# Allegro board 20250806_UNOQ.brd (continued)
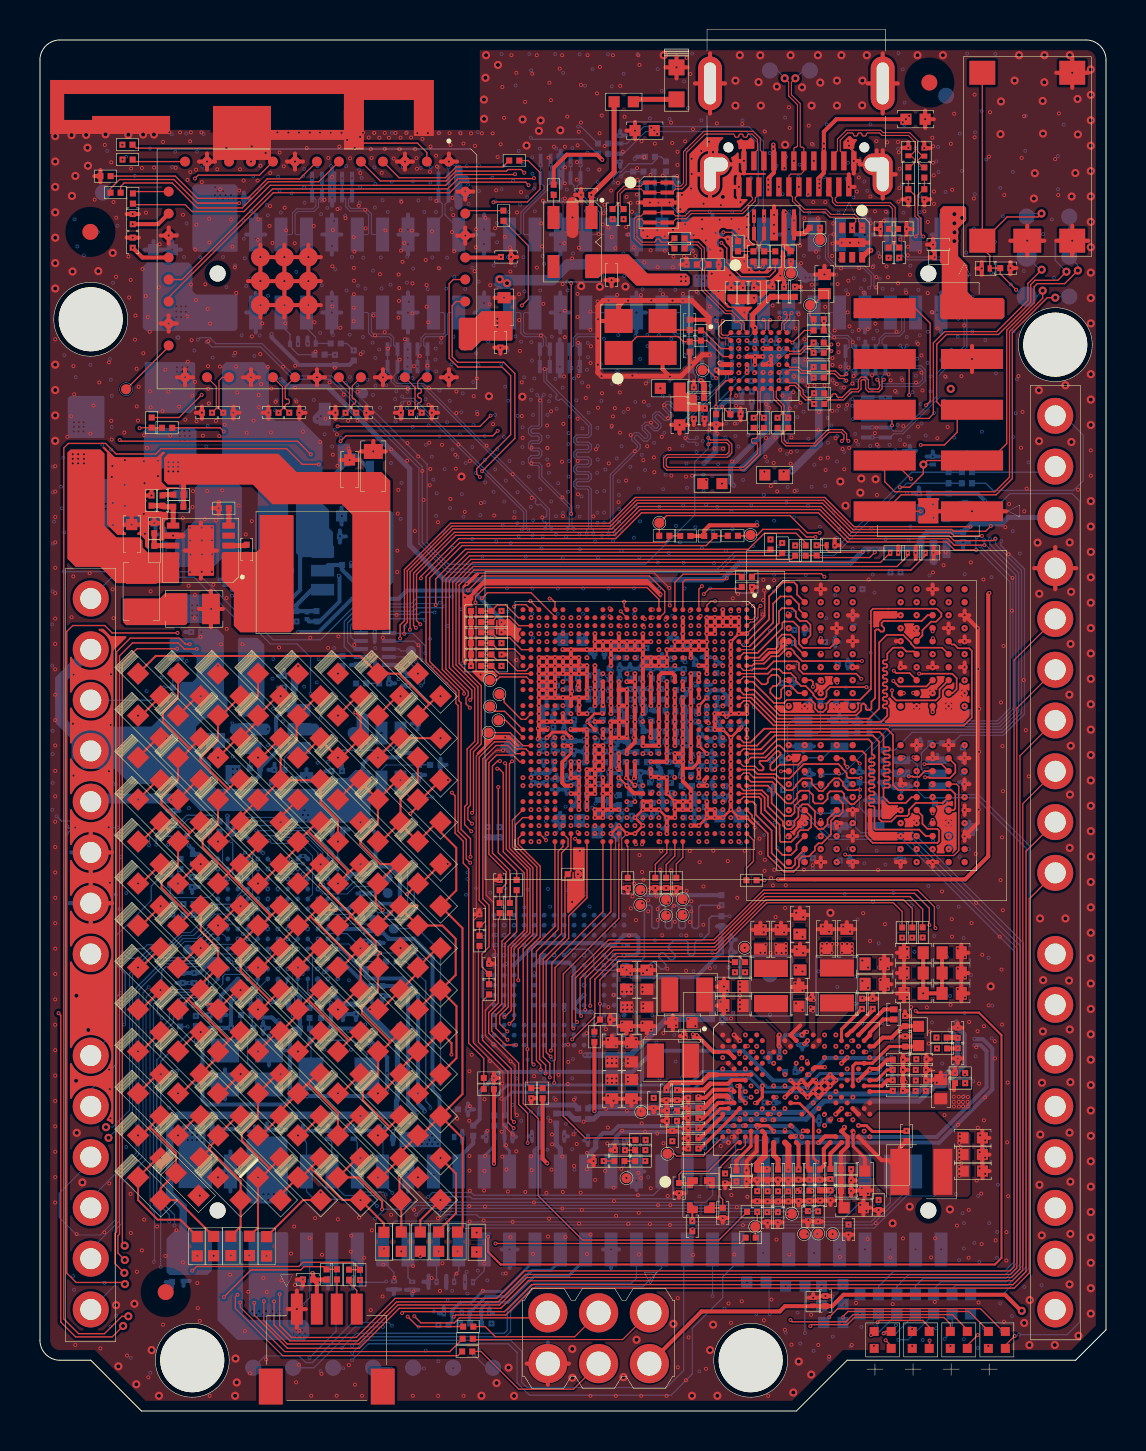
[diagram p0: board, top side]
## Placement (name value [footprint] x y rotation side) (continued)
NOREF#1063  -  []  20.97 4.79 90 top
NOREF#1064  -  []  14.14 52.54 90 top
NOREF#1065  -  []  44.36 62.79 90 top
NOREF#1066  -  []  22.36 5.02 90 top
NOREF#1067  -  []  21.67 37.57 0 top
NOREF#1068  -  []  10.74 19.77 90 top
NOREF#1069  -  []  7.13 24.67 90 top
NOREF#1070  -  []  19.05 49.79 0 top
NOREF#1071  -  []  43.21 14.06 0 top
NOREF#1072  -  []  41.05 40.81 90 top
NOREF#1073  -  []  34.18 20.39 90 top
NOREF#1074  -  []  43.57 4.06 0 top
NOREF#1075  -  []  31.34 33.85 0 top
NOREF#1076  -  []  29.85 17.44 0 top
NOREF#1077  -  []  44.13 62.93 0 top
NOREF#1078  -  []  5.44 49.74 0 top
NOREF#1079  -  []  29.28 35.21 90 top
NOREF#1080  -  []  38.81 53.23 0 top
NOREF#1081  -  []  15.22 42.62 0 top
NOREF#1082  -  []  21.83 13.72 90 top
NOREF#1083  -  []  26.11 13.85 0 top
NOREF#1084  -  []  24.69 13.55 90 top
NOREF#1085  -  []  34.45 18.81 0 top
NOREF#1086  -  []  37.72 57.46 90 top
NOREF#1087  -  []  25.14 34.03 90 top
NOREF#1088  -  []  33.91 34.78 90 top
NOREF#1089  -  []  32.63 37.41 90 top
NOREF#1090  -  []  34.82 43.48 90 top
NOREF#1091  -  []  30.56 15.71 0 top
NOREF#1092  -  []  46.92 4.06 90 top
NOREF#1093  -  []  38.22 21.23 90 top
NOREF#1094  -  []  16.74 21.31 0 top
NOREF#1095  -  []  24.85 58.48 90 top
NOREF#1096  -  []  33.56 57.65 0 top
NOREF#1097  -  []  31.39 43.48 90 top
NOREF#1098  -  []  27.03 60.98 90 top
NOREF#1099  -  []  20.34 4.01 90 top
NOREF#1100  -  []  40.75 41.41 0 top
NOREF#1101  -  []  9.11 18.79 0 top
NOREF#1102  -  []  43.44 18.19 0 top
NOREF#1103  -  []  29.89 13.35 0 top
NOREF#1104  -  []  28.96 65.99 0 top
NOREF#1105  -  []  44.1 62.25 0 top
NOREF#1106  -  []  28.45 56.52 90 top
NOREF#1107  -  []  47.53 4.91 0 top
NOREF#1108  -  []  37.29 42.87 90 top
NOREF#1109  -  []  25.14 33.68 0 top
NOREF#1110  -  []  17.05 23.97 90 top
NOREF#1111  -  []  20.22 6.3 90 top
NOREF#1112  -  []  22.22 13.88 0 top
NOREF#1113  -  []  31.73 30.25 0 top
NOREF#1114  -  []  15.95 25.93 90 top
NOREF#1115  -  []  40.31 8.78 90 top
NOREF#1116  -  []  19.05 34.95 0 top
NOREF#1117  -  []  46.23 46.71 0 top
NOREF#1118  -  []  43.68 47.52 90 top
NOREF#1119  -  []  38.72 27.21 90 top
NOREF#1120  -  []  27.81 33.68 0 top
NOREF#1121  -  []  32.07 35.37 90 top
NOREF#1122  -  []  37.3 11.53 90 top
NOREF#1123  -  []  7.29 21.37 90 top
NOREF#1124  -  []  18.26 6.19 0 top
NOREF#1125  -  []  13.69 39.45 0 top
NOREF#1126  -  []  38.71 43.35 0 top
NOREF#1127  -  []  33.42 30.25 0 top
NOREF#1128  -  []  12.77 36.04 0 top
NOREF#1129  -  []  44.22 15.71 90 top
NOREF#1130  -  []  11.2 14.13 90 top
NOREF#1131  -  []  42.84 58.24 0 top
NOREF#1132  -  []  34.78 58.56 0 top
NOREF#1133  -  []  21.16 6.33 0 top
NOREF#1134  -  []  23.52 13.83 0 top
NOREF#1135  -  []  27.86 29.22 0 top
NOREF#1136  -  []  27.3 13.41 0 top
NOREF#1137  -  []  15.3 20.4 0 top
NOREF#1138  -  []  36.78 12.13 0 top
NOREF#1139  -  []  33.53 66.41 0 top
NOREF#1140  -  []  18.5 6.07 90 top
NOREF#1141  -  []  38.27 24.83 90 top
NOREF#1142  -  []  28.87 63.91 0 top
NOREF#1143  -  []  26.96 34.96 0 top
NOREF#1144  -  []  33.16 33.28 90 top
NOREF#1145  -  []  41.81 20.67 90 top
NOREF#1146  -  []  35.52 41.43 90 top
NOREF#1147  -  []  42.17 59.02 0 top
NOREF#1148  -  []  13.09 30.7 90 top
NOREF#1149  -  []  13.46 53.21 90 top
NOREF#1150  -  []  7.77 26.16 90 top
NOREF#1151  -  []  11.83 32.37 0 top
NOREF#1152  -  []  7.32 20.61 0 top
NOREF#1153  -  []  21 13.82 90 top
NOREF#1154  -  []  29.93 36.59 0 top
NOREF#1155  -  []  8.05 13.38 0 top
NOREF#1156  -  []  18.58 36.85 0 top
NOREF#1157  -  []  33.06 32.42 0 top
NOREF#1158  -  []  38.81 52.52 0 top
NOREF#1159  -  []  16.05 38.12 90 top
NOREF#1160  -  []  24.72 75.11 90 top
NOREF#1161  -  []  13.36 16.12 0 top
NOREF#1162  -  []  22.89 53.75 0 top
NOREF#1163  -  []  47.5 66.64 0 top
NOREF#1164  -  []  19.05 34.35 90 top
NOREF#1165  -  []  44.55 47.86 0 top
NOREF#1166  -  []  39.85 30.68 0 top
NOREF#1167  -  []  35.1 34.51 90 top
NOREF#1168  -  []  2.54 5.08 90 top
NOREF#1169  -  []  14.9 47.39 90 top
NOREF#1170  -  []  15.86 7.11 0 top
NOREF#1171  -  []  43.21 21.14 90 top
NOREF#1172  -  []  25.74 33.68 90 top
NOREF#1173  -  []  32.66 31.42 90 top
NOREF#1174  -  []  14.3 6.31 0 top
NOREF#1175  -  []  30.49 7.45 0 top
NOREF#1176  -  []  25 16.2 0 top
NOREF#1177  -  []  44.57 3.06 90 top
NOREF#1178  -  []  25.91 36.67 0 top
NOREF#1179  -  []  26.88 15.29 0 top
NOREF#1180  -  []  13.03 14.13 0 top
NOREF#1181  -  []  28.46 30.71 90 top
NOREF#1182  -  []  29.05 36.24 90 top
NOREF#1183  -  []  15.55 6.31 0 top
NOREF#1184  -  []  25.31 35.59 90 top
NOREF#1185  -  []  12.05 59.96 0 top
NOREF#1186  -  []  11.96 5.57 0 top
NOREF#1187  -  [unnamed#3]  6.29 5.95 0 top
NOREF#1188  -  []  7.87 21.37 90 top
NOREF#1189  -  []  38.88 11.09 0 top
NOREF#1190  -  []  43.6 60.56 90 top
NOREF#1191  -  []  46.86 27.03 90 top
NOREF#1192  -  []  32.63 36.81 0 top
NOREF#1193  -  []  42.05 33.1 0 top
NOREF#1194  -  []  36.64 58.05 0 top
NOREF#1195  -  []  27.3 13.7 0 top
NOREF#1196  -  []  22.31 16.4 0 top
NOREF#1197  -  []  30.81 30.47 0 top
NOREF#1198  -  []  28.03 63.7 0 top
NOREF#1199  -  []  35.4 11.33 90 top
NOREF#1200  -  []  38.8 51.88 0 top
NOREF#1201  -  []  29.04 33.47 90 top
NOREF#1202  -  []  37.71 39.22 0 top
NOREF#1203  -  []  31.71 34.63 0 top
NOREF#1204  -  []  39.95 3.93 90 top
NOREF#1205  -  []  37.38 20.26 0 top
NOREF#1206  -  []  31.34 33.34 0 top
NOREF#1207  -  []  29.83 61.45 90 top
NOREF#1208  -  []  26.88 14.76 0 top
NOREF#1209  -  []  25.17 14.33 90 top
NOREF#1210  -  []  15.32 7.12 0 top
NOREF#1211  -  []  33.81 30.88 90 top
NOREF#1212  -  []  17.55 5.97 90 top
NOREF#1213  -  []  2.54 17.78 90 top
NOREF#1214  -  []  29.19 63.29 90 top
NOREF#1215  -  []  43.77 16.91 0 top
NOREF#1216  -  []  39.11 51.39 90 top
NOREF#1217  -  []  43.21 13.46 90 top
NOREF#1218  -  []  35.43 21.9 90 top
NOREF#1219  -  []  14 19.28 0 top
NOREF#1220  -  []  42.63 16.39 0 top
NOREF#1221  -  []  39.97 27.68 0 top
NOREF#1222  -  []  33.69 36.87 0 top
NOREF#1223  -  []  29.14 38.23 90 top
NOREF#1224  -  []  20.1 4.73 90 top
NOREF#1225  -  []  33.1 49.59 90 top
NOREF#1226  -  []  15.54 14.13 0 top
NOREF#1227  -  []  9.3 31.04 90 top
NOREF#1228  -  []  32.66 54.03 0 top
NOREF#1229  -  []  37.84 16.12 0 top
NOREF#1230  -  []  41.71 4.01 0 top
NOREF#1231  -  []  43.49 42.74 90 top
NOREF#1232  -  []  33.4 36.5 90 top
NOREF#1233  -  []  14.64 32.39 90 top
NOREF#1234  -  []  14.37 46.28 90 top
NOREF#1235  -  []  11.85 13.52 0 top
NOREF#1236  -  []  25.25 59.23 90 top
NOREF#1237  -  []  33.98 49.31 90 top
NOREF#1238  -  []  41.81 20.07 0 top
NOREF#1239  -  []  1.61 44.98 90 top
NOREF#1240  -  []  6.98 24 90 top
NOREF#1241  -  []  21.67 39.76 0 top
NOREF#1242  -  []  23.58 62.85 0 top
NOREF#1243  -  []  21.55 3.31 90 top
NOREF#1244  -  []  37.81 11.06 0 top
NOREF#1245  -  []  26.78 34.44 0 top
NOREF#1246  -  []  30.29 30.35 0 top
NOREF#1247  -  []  32.67 35.37 0 top
NOREF#1248  -  []  48.38 3.06 90 top
NOREF#1249  -  []  7.05 6.87 0 top
NOREF#1250  -  []  22.58 14.83 0 top
NOREF#1251  -  []  15.57 14.13 0 top
NOREF#1252  -  []  4.79 57.84 90 top
NOREF#1253  -  []  36.39 58.05 90 top
NOREF#1254  -  []  16.26 22.23 0 top
NOREF#1255  -  []  6.68 24.6 0 top
NOREF#1256  -  []  17.73 22.18 90 top
NOREF#1257  -  []  22.69 39.25 0 top
NOREF#1258  -  []  15.74 47.59 90 top
NOREF#1259  -  []  46.53 46.11 90 top
NOREF#1260  -  []  29.77 40.28 0 top
NOREF#1261  -  []  30.26 61.59 0 top
NOREF#1262  -  []  30.12 19.23 90 top
NOREF#1263  -  []  8.9 21.61 90 top
NOREF#1264  -  []  26.82 30.67 90 top
NOREF#1265  -  []  32.36 52.94 90 top
NOREF#1266  -  []  18.54 31.89 90 top
NOREF#1267  -  []  28.45 36.78 0 top
NOREF#1268  -  []  46.12 21.66 90 top
NOREF#1269  -  []  26.53 36.19 0 top
NOREF#1270  -  []  12.13 31.77 90 top
NOREF#1271  -  []  43.4 48.14 0 top
NOREF#1272  -  []  30.51 35.97 90 top
NOREF#1273  -  []  50.8 22.86 90 top
NOREF#1274  -  []  38.84 50.67 0 top
NOREF#1275  -  []  44.2 43.09 0 top
NOREF#1276  -  []  31.7 57.7 90 top
NOREF#1277  -  []  3.13 62.07 0 top
NOREF#1278  -  []  28.5 60.17 0 top
NOREF#1279  -  []  14.3 6.6 0 top
NOREF#1280  -  []  13.36 16.12 0 top
NOREF#1281  -  []  40.62 24.12 90 top
NOREF#1282  -  []  38.56 5.28 90 top
NOREF#1283  -  []  32.66 54.63 90 top
NOREF#1284  -  []  25.98 14.33 90 top
NOREF#1285  -  []  12.85 5.1 0 top
NOREF#1286  -  []  33.64 43.47 90 top
NOREF#1287  -  []  9.72 49.79 90 top
NOREF#1288  -  []  13.86 49.13 90 top
NOREF#1289  -  []  9.18 33.48 90 top
NOREF#1290  -  []  30.07 32.1 90 top
NOREF#1291  -  []  14.78 13.89 90 top
NOREF#1292  -  []  31.07 33.01 0 top
NOREF#1293  -  []  17.04 41.92 0 top
NOREF#1294  -  []  15.45 47.89 90 top
NOREF#1295  -  []  25.16 32.34 90 top
NOREF#1296  -  []  12.08 30.89 90 top
NOREF#1297  -  []  32.2 67.21 90 top
NOREF#1298  -  []  43.66 43.36 90 top
NOREF#1299  -  []  39.75 32.83 0 top
NOREF#1300  -  []  33.95 25.85 0 top
NOREF#1301  -  []  42.56 59.28 90 top
NOREF#1302  -  []  50.8 26.92 90 top
NOREF#1303  -  []  27.46 31.75 0 top
NOREF#1304  -  []  34.97 61.23 0 top
NOREF#1305  -  []  38.05 31.3 0 top
NOREF#1306  -  []  28.41 33.68 90 top
NOREF#1307  -  []  29.76 64.3 90 top
NOREF#1308  -  []  27.85 30.1 0 top
NOREF#1309  -  []  48 57.02 0 top
NOREF#1310  -  []  20.2 6.33 90 top
NOREF#1311  -  []  17.43 22.78 0 top
NOREF#1312  -  []  51.3 58.49 90 top
NOREF#1313  -  []  35.54 51.37 90 top
NOREF#1314  -  []  13.28 53.27 0 top
NOREF#1315  -  []  33.58 19.76 0 top
NOREF#1316  -  []  37.29 49.73 0 top
NOREF#1317  -  []  17.73 64.55 0 top
NOREF#1318  -  []  10.62 19.31 0 top
NOREF#1319  -  []  4.8 60.35 90 top
NOREF#1320  -  []  35.08 57.97 90 top
NOREF#1321  -  []  14.19 7.13 0 top
NOREF#1322  -  []  31.73 15.5 90 top
NOREF#1323  -  []  4.79 44.28 90 top
NOREF#1324  -  []  35.85 58.05 90 top
NOREF#1325  -  []  31.5 29.1 90 top
NOREF#1326  -  []  33.58 20.39 0 top
NOREF#1327  -  []  42.89 59.48 0 top
NOREF#1328  -  []  30.24 34.16 90 top
NOREF#1329  -  []  6.75 7.01 0 top
NOREF#1330  -  []  43.7 42.55 90 top
NOREF#1331  -  []  17.35 4.77 90 top
NOREF#1332  -  []  15.57 13.63 90 top
NOREF#1333  -  []  13.71 6.73 0 top
NOREF#1334  -  []  33.69 37.47 90 top
NOREF#1335  -  []  33.34 44.07 0 top
NOREF#1336  -  []  15.86 13.51 90 top
NOREF#1337  -  []  43.29 23.63 90 top
NOREF#1338  -  []  32.79 29.83 90 top
NOREF#1339  -  []  43.44 19.21 0 top
NOREF#1340  -  []  46.81 4.84 90 top
NOREF#1341  -  []  46.51 34.82 0 top
NOREF#1342  -  []  21.67 39.25 0 top
NOREF#1343  -  []  25.47 31.96 0 top
NOREF#1344  -  []  41.26 22.12 0 top
NOREF#1345  -  []  47.43 4.01 0 top
NOREF#1346  -  []  42.66 3.06 90 top
NOREF#1347  -  []  46.34 43.41 90 top
NOREF#1348  -  []  12.12 43.48 0 top
NOREF#1349  -  []  26.8 32.29 0 top
NOREF#1350  -  []  42.81 42.55 90 top
NOREF#1351  -  []  27.15 38.35 0 top
NOREF#1352  -  []  35.67 52.86 90 top
NOREF#1353  -  []  43.11 3.61 90 top
NOREF#1354  -  []  27.01 29.28 0 top
NOREF#1355  -  []  20.41 6.27 90 top
NOREF#1356  -  []  7.6 52.87 90 top
NOREF#1357  -  []  35.85 57.45 0 top
NOREF#1358  -  []  47.01 56.99 90 top
NOREF#1359  -  []  32.79 9.55 90 top
NOREF#1360  -  []  41.81 10.46 90 top
NOREF#1361  -  []  34.7 13.24 90 top
NOREF#1362  -  []  43.62 4.01 0 top
NOREF#1363  -  []  28.29 38.06 90 top
NOREF#1364  -  []  21.98 4.75 0 top
NOREF#1365  -  []  32.39 15.82 90 top
NOREF#1366  -  []  30.08 36.26 90 top
NOREF#1367  -  []  25.31 36.13 90 top
NOREF#1368  -  []  45.89 17.21 0 top
NOREF#1369  -  []  12.79 53.02 90 top
NOREF#1370  -  []  6.96 29.05 0 top
NOREF#1371  -  []  37.05 53.11 0 top
NOREF#1372  -  []  7.05 6.52 90 top
NOREF#1373  -  []  39.5 55.87 90 top
NOREF#1374  -  []  17.17 13.5 90 top
NOREF#1375  -  []  21.67 40.32 0 top
NOREF#1376  -  []  20.22 28.05 0 top
NOREF#1377  -  []  39.14 50.61 90 top
NOREF#1378  -  []  28.72 24.8 0 top
NOREF#1379  -  []  23.34 59.49 90 top
NOREF#1380  -  []  40.57 27.68 90 top
NOREF#1381  -  []  24.17 39.68 90 top
NOREF#1382  -  []  32.36 53.54 0 top
NOREF#1383  -  []  6.37 57.11 0 top
NOREF#1384  -  []  31.78 36.21 0 top
NOREF#1385  -  []  11.37 40.48 0 top
NOREF#1386  -  []  13.34 20.21 0 top
NOREF#1387  -  []  35.88 56.24 90 top
NOREF#1388  -  []  7.6 48.71 90 top
NOREF#1389  -  []  34.2 20.53 90 top
NOREF#1390  -  []  31.32 14.66 90 top
NOREF#1391  -  []  28.8 55.33 0 top
NOREF#1392  -  []  28.64 34.69 0 top
NOREF#1393  -  []  44.38 42.74 90 top
NOREF#1394  -  []  34.18 21.03 90 top
NOREF#1395  -  []  5.74 49.14 90 top
NOREF#1396  -  []  11.13 64.55 0 top
NOREF#1397  -  []  36.8 56.29 90 top
NOREF#1398  -  []  6.37 58.11 90 top
NOREF#1399  -  []  14.26 14.13 0 top
NOREF#1400  -  []  34.65 50.16 0 top
NOREF#1401  -  []  48.6 57.02 90 top
NOREF#1402  -  []  39.1 34.95 90 top
NOREF#1403  -  []  25.9 35.08 0 top
NOREF#1404  -  []  16.44 23.21 0 top
NOREF#1405  -  []  21.28 4.52 0 top
NOREF#1406  -  []  24.83 31.96 0 top
NOREF#1407  -  []  32.79 30.34 90 top
NOREF#1408  -  []  28.23 32.6 0 top
NOREF#1409  -  []  40 33.25 90 top
NOREF#1410  -  []  4.23 62.9 0 top
NOREF#1411  -  []  15.11 45.02 90 top
NOREF#1412  -  []  42.17 61.86 90 top
NOREF#1413  -  []  41.65 33.9 90 top
NOREF#1414  -  []  15.92 36.7 0 top
NOREF#1415  -  []  42.26 4.91 0 top
NOREF#1416  -  []  34.13 49.99 0 top
NOREF#1417  -  []  30.75 61.3 90 top
NOREF#1418  -  []  29.29 12.65 0 top
NOREF#1419  -  []  18.82 32.36 0 top
NOREF#1420  -  []  36.78 11.04 0 top
NOREF#1421  -  []  12.17 36.04 90 top
NOREF#1422  -  []  36.7 52.56 90 top
NOREF#1423  -  []  32.76 57.05 90 top
NOREF#1424  -  []  15.46 46.35 0 top
NOREF#1425  -  []  40 59.64 90 top
NOREF#1426  -  []  14.13 31.45 0 top
NOREF#1427  -  []  37.3 12.13 0 top
NOREF#1428  -  []  38.81 51.99 0 top
NOREF#1429  -  []  20.99 4.79 0 top
NOREF#1430  -  []  42.35 32 0 top
NOREF#1431  -  []  30.49 3.68 90 top
NOREF#1432  -  []  36.86 27.03 0 top
NOREF#1433  -  []  14.95 53.1 90 top
NOREF#1434  -  []  43.46 43.05 0 top
NOREF#1435  -  []  32.99 15.31 0 top
NOREF#1436  -  []  43.36 48.14 0 top
NOREF#1437  -  []  34.92 21.9 90 top
NOREF#1438  -  []  42.96 41.65 90 top
NOREF#1439  -  []  30.5 37.62 90 top
NOREF#1440  -  []  27.81 32.29 0 top
NOREF#1441  -  []  30.74 33.85 90 top
NOREF#1442  -  []  12.45 0.62 90 top
NOREF#1443  -  []  14.91 52.28 90 top
NOREF#1444  -  []  19.52 6.27 90 top
NOREF#1445  -  []  8.4 28.11 0 top
NOREF#1446  -  []  41.7 5.84 0 top
NOREF#1447  -  []  46.8 58.49 0 top
NOREF#1448  -  []  29.6 22.07 90 top
NOREF#1449  -  []  10.44 20.37 0 top
NOREF#1450  -  []  35.2 20.53 0 top
NOREF#1451  -  []  35.45 26.85 0 top
NOREF#1452  -  []  12.98 6.28 90 top
NOREF#1453  -  []  31.7 58.21 90 top
NOREF#1454  -  []  30.26 61.3 0 top
NOREF#1455  -  []  36.1 5.94 90 top
NOREF#1456  -  []  26.87 33.57 0 top
NOREF#1457  -  []  12.54 32.65 90 top
NOREF#1458  -  []  44.89 57.82 90 top
NOREF#1459  -  []  23.62 57.58 90 top
NOREF#1460  -  []  40.55 31.4 0 top
NOREF#1461  -  []  30.32 35.23 90 top
NOREF#1462  -  []  33.22 53.5 90 top
NOREF#1463  -  []  39.01 42.75 90 top
NOREF#1464  -  []  13.94 18.24 90 top
NOREF#1465  -  []  14.96 32.05 90 top
NOREF#1466  -  []  46.36 31.4 90 top
NOREF#1467  -  []  40.25 26.68 90 top
NOREF#1468  -  []  31.32 15.17 90 top
NOREF#1469  -  []  39.75 34.98 90 top
NOREF#1470  -  []  32.99 13.28 0 top
NOREF#1471  -  []  28.36 33.89 0 top
NOREF#1472  -  []  29.53 62.05 0 top
NOREF#1473  -  []  8.06 50.09 90 top
NOREF#1474  -  []  39.63 42.92 90 top
NOREF#1475  -  []  16.89 14.12 0 top
NOREF#1476  -  []  35.14 15.92 0 top
NOREF#1477  -  []  36.64 51.25 0 top
NOREF#1478  -  []  4.79 59.02 90 top
NOREF#1479  -  []  29.37 37.18 90 top
NOREF#1480  -  []  44.55 47.36 90 top
NOREF#1481  -  []  26.23 37.21 90 top
NOREF#1482  -  []  25.76 32.34 0 top
NOREF#1483  -  []  28.33 63.1 90 top
NOREF#1484  -  []  40.47 37.51 90 top
NOREF#1485  -  []  33.7 31.5 90 top
NOREF#1486  -  []  25.17 76.15 0 top
NOREF#1487  -  []  43.48 62.66 0 top
NOREF#1488  -  []  33.32 35.82 0 top
NOREF#1489  -  []  34.44 30.7 90 top
NOREF#1490  -  []  3.93 60.64 90 top
NOREF#1491  -  []  31.99 26.12 90 top
NOREF#1492  -  []  32.39 13.79 90 top
NOREF#1493  -  []  41.87 62.36 0 top
NOREF#1494  -  []  36.25 12.13 0 top
NOREF#1495  -  []  29.35 16.6 0 top
NOREF#1496  -  []  32.39 14.3 90 top
NOREF#1497  -  []  36.76 49.73 0 top
NOREF#1498  -  []  31.17 62.55 0 top
NOREF#1499  -  []  37.16 32.7 90 top
NOREF#1500  -  []  39.45 5.2 0 top
NOREF#1501  -  []  43.16 62.9 0 top
NOREF#1502  -  []  36.78 10.44 90 top
NOREF#1503  -  []  39.87 43.14 90 top
NOREF#1504  -  []  17.85 31.66 0 top
NOREF#1505  -  []  26.36 34.96 90 top
NOREF#1506  -  []  31.39 21.63 90 top
NOREF#1507  -  []  43.11 4.06 90 top
NOREF#1508  -  []  42.43 43.09 0 top
NOREF#1509  -  []  38.46 42.74 90 top
NOREF#1510  -  []  30.76 64.3 0 top
NOREF#1511  -  []  38.31 39.22 90 top
NOREF#1512  -  []  13.14 34.87 90 top
NOREF#1513  -  []  25.73 34.57 0 top
NOREF#1514  -  []  37.24 17.12 0 top
NOREF#1515  -  []  4.53 62.3 90 top
NOREF#1516  -  []  11.61 15.59 90 top
NOREF#1517  -  []  31.82 33.61 0 top
NOREF#1518  -  []  45.47 4.06 0 top
NOREF#1519  -  []  16.22 36.1 90 top
NOREF#1520  -  []  21.67 38.71 0 top
NOREF#1521  -  []  28.45 57.12 0 top
NOREF#1522  -  []  44.4 62.35 90 top
NOREF#1523  -  []  7.05 35.89 90 top
NOREF#1524  -  []  26.67 37.65 90 top
NOREF#1525  -  []  37.84 17.12 90 top
NOREF#1526  -  []  29.26 26.72 0 top
NOREF#1527  -  []  36.63 30.91 90 top
NOREF#1528  -  []  39.4 11.09 0 top
NOREF#1529  -  []  43.18 27.55 90 top
NOREF#1530  -  []  32.06 36.55 0 top
NOREF#1531  -  []  35.57 28.68 90 top
NOREF#1532  -  []  36.5 47.32 0 top
NOREF#1533  -  []  43.1 13.21 0 top
NOREF#1534  -  []  32.42 33.61 90 top
NOREF#1535  -  []  33.69 12.8 90 top
NOREF#1536  -  []  30.12 20.23 0 top
NOREF#1537  -  []  28.31 35.12 0 top
NOREF#1538  -  []  8.61 28.94 90 top
NOREF#1539  -  []  27.46 31.21 0 top
NOREF#1540  -  []  43.4 47.66 90 top
NOREF#1541  -  []  16.51 25.33 0 top
NOREF#1542  -  []  10.94 35.55 0 top
NOREF#1543  -  []  39.4 43.42 0 top
NOREF#1544  -  []  44 32.65 90 top
NOREF#1545  -  []  34.54 15.92 90 top
NOREF#1546  -  []  6.86 19.78 0 top
NOREF#1547  -  []  15.55 6.6 0 top
NOREF#1548  -  []  32.25 65.61 90 top
NOREF#1549  -  []  32 58.81 0 top
NOREF#1550  -  []  8.44 63.73 90 top
NOREF#1551  -  []  40.62 23.12 0 top
NOREF#1552  -  []  31.19 16.1 0 top
NOREF#1553  -  []  39.11 52.63 90 top
NOREF#1554  -  []  32.38 34.11 90 top
NOREF#1555  -  []  45.52 29.34 0 top
NOREF#1556  -  []  38.95 31.9 0 top
NOREF#1557  -  []  30.45 61.24 90 top
NOREF#1558  -  []  30.19 12.75 90 top
NOREF#1559  -  []  39.08 9.44 90 top
NOREF#1560  -  []  27.69 38.06 0 top
NOREF#1561  -  []  21.46 15.24 90 top
NOREF#1562  -  []  35.13 22.5 0 top
NOREF#1563  -  []  16.29 31.24 90 top
NOREF#1564  -  []  4.5 60.95 0 top
NOREF#1565  -  []  6.83 29.98 90 top
NOREF#1566  -  []  33.06 32.96 0 top
NOREF#1567  -  []  2.54 15.24 90 top
NOREF#1568  -  []  29.12 30.86 0 top
NOREF#1569  -  []  38.87 12.13 0 top
NOREF#1570  -  []  8.44 61.53 90 top
NOREF#1571  -  []  38.28 22.04 0 top
NOREF#1572  -  []  12.09 31.7 0 top
NOREF#1573  -  []  12.72 41.08 90 top
NOREF#1574  -  []  37.06 49.13 90 top
NOREF#1575  -  []  27.48 15.29 90 top
NOREF#1576  -  []  26.79 30.13 90 top
NOREF#1577  -  []  11.48 31.49 0 top
NOREF#1578  -  []  33.16 33.88 0 top
NOREF#1579  -  []  15.97 19.8 90 top
NOREF#1580  -  []  26.36 32.97 90 top
NOREF#1581  -  []  51.3 59.19 0 top
NOREF#1582  -  []  16.46 24.05 0 top
NOREF#1583  -  []  30.46 37.19 90 top
NOREF#1584  -  []  42.24 59.28 0 top
NOREF#1585  -  []  15.95 25.33 0 top
NOREF#1586  -  []  39.11 53.14 90 top
NOREF#1587  -  []  29.22 24.8 0 top
NOREF#1588  -  []  16.65 38.62 0 top
NOREF#1589  -  []  31.75 50.31 0 top
NOREF#1590  -  []  21.97 36.97 90 top
NOREF#1591  -  []  38.56 5.54 90 top
NOREF#1592  -  []  9.51 19.01 90 top
NOREF#1593  -  []  43.55 5.84 0 top
NOREF#1594  -  []  28.36 16.6 0 top
NOREF#1595  -  []  13.11 6.73 90 top
NOREF#1596  -  []  34.74 56.24 90 top
NOREF#1597  -  []  38.05 33.62 0 top
NOREF#1598  -  []  31.19 15.5 90 top
NOREF#1599  -  []  38.28 23.04 90 top
NOREF#1600  -  []  35.4 11.89 90 top
NOREF#1601  -  []  46.12 20.64 90 top
NOREF#1602  -  []  30.37 63.04 0 top
NOREF#1603  -  []  30.53 33.01 0 top
NOREF#1604  -  []  46.17 12.58 0 top
NOREF#1605  -  []  8.23 13.35 90 top
NOREF#1606  -  []  43.94 42.96 90 top
NOREF#1607  -  []  28 36.95 90 top
NOREF#1608  -  []  32 58.3 0 top
NOREF#1609  -  []  39.85 30.68 90 top
NOREF#1610  -  []  31.6 31.78 0 top
NOREF#1611  -  []  35.74 11.04 0 top
NOREF#1612  -  []  40 29.9 90 top
NOREF#1613  -  []  34.54 34.83 90 top
NOREF#1614  -  []  40.68 22.29 90 top
NOREF#1615  -  []  13.03 49.79 90 top
NOREF#1616  -  []  45.01 38.4 180 bottom
NOREF#1617  -  [unnamed#3]  3.15 60.94 180 bottom
NOREF#1618  -  [unnamed#3]  45.34 65.79 180 bottom
NOREF#1619  -  [unnamed#3]  36.52 21.84 180 bottom
PMIC1  PM-4125-3-NSP194-TR-01-0  [BGA194_67X83_0D566_H10_QUALCOMM]  37.84 16.12 180 top
Q2707  MMDT3904-7-F_SOT363_6P  [SOT363_6P_22X21_H110]  44 31.9 180 bottom
Q2708  MMDT3904-7-F_SOT363_6P  [SOT363_6P_22X21_H110]  39.1 33.9 0 bottom
Q2709  MMDT3904-7-F_SOT363_6P  [SOT363_6P_22X21_H110]  40.9 29.9 180 bottom
Q2801  PJA3413_SOT23_3P  [SOT23_29X24_H110]  14.25 48.84 270 bottom
Q2802  MMBT3904W_SOT323_3P  [SOT323_21X20_H110]  16.51 46.18 270 bottom
QWIIC1  CI1104M1HR0-NH  [WTB4_60X51_1_H32_D90]  14.35 3.05 90 top
R501  0  [R0201_H030]  43.65 23.93 180 top
R502  0  [R0201_H030]  43.14 23.93 180 top
R503  0  [R0201_H030]  44.16 23.94 180 top
R601  47K  [R0201_H030]  40.34 12.1 90 top
R603  0  [R0201_H030]  46.04 16.4 270 top
R604  0  [R0201_H030]  46.04 16.91 270 top
R605  7.5K_1%  [R0201_H030]  38.93 9.74 0 top
R606  100K  [R0201_H030]  38.42 9.75 0 top
R607  56K  [R0201_H030]  44.07 16.01 270 top
R701  22  [R0201_H030]  30.04 13.05 90 top
R702  0  [R0201_H030]  30.05 13.56 90 top
R703  0  [R0201_H030]  30.04 12.5 90 top
R705  0  [R0201_H030]  36.92 9.7 0 top
R706  0  [R0201_H030]  35.63 9.96 270 top
R707  5.1K  [R0201_H030]  36.4 10.74 0 top
R708  0  [R0201_H030]  38.86 43.05 180 top
R709  0  [R0201_H030]  35.56 8.67 270 top
R901  0  [R0201_H030]  34.77 22.2 180 top
R902  0  [R0201_H030]  35.28 22.2 180 top
R1101  10K_1%  [R0201_H030]  16.07 36.4 270 bottom
R1102  10K_1%  [R0201_H030]  19.78 32.32 90 bottom
R1201  0  [R0201_H030]  23 25.16 180 top
R1202  100_1%  [R0201_H030]  31.84 26.42 0 top
R1203  4.02K_1%  [R0201_H030]  31.33 26.42 0 top
R1204  0  [R0201_H030]  6.36 49.18 90 top
R1205  0  [R0201_H030]  21.99 23.52 180 top
R1206  0  [R0201_H030]  22.47 21.09 180 top
R1207  22  [R0201_H030]  35.6 26.55 90 top
R1208  1K  [R0201_H030]  26.66 26.85 90 top
R1301  0  [R0201_H030]  23.51 25.16 0 top
R1302  0  [R0201_H030]  23.85 26.31 0 top
R1303  2.2K  [R0201_H030]  21.82 37.27 90 top
R1304  0  [R0201_H030]  22.84 37.27 90 top
R1305  2.2K  [R0201_H030]  21.82 38.41 90 top
R1306  0  [R0201_H030]  22.84 38.41 90 top
R1307  2.2K  [R0201_H030]  21.82 37.84 90 top
R1308  0  [R0201_H030]  22.84 37.84 90 top
R1309  2.2K  [R0201_H030]  21.82 38.95 90 top
R1310  0  [R0201_H030]  22.84 38.95 90 top
R1311  2.2K  [R0201_H030]  27.74 18.72 180 top
R1312  0  [R0201_H030]  28.28 19.58 90 top
R1313  2.2K  [R0201_H030]  22.46 16.1 270 top
R1314  0  [R0201_H030]  22.46 16.66 90 top
R1315  10K_1%  [R0201_H030]  21.82 39.46 90 top
R1316  10K_1%  [R0201_H030]  22.84 39.46 90 top
R1317  10K_1%  [R0201_H030]  21.82 40.02 90 top
R1318  10K_1%  [R0201_H030]  22.84 40.02 90 top
R1319  10K_1%  [R0201_H030]  25.15 15.9 180 top
R1320  10K_1%  [R0201_H030]  24.58 15.9 0 top
R1321  0  [R0201_H030]  38.31 43.04 0 top
R1401  240_1%  [R0201_H030]  34.39 35.13 180 bottom
R1501  0  [R0201_H030]  38.99 50.37 90 top
R1502  0  [R0201_H030]  38.99 50.91 90 top
R1503  0  [R0201_H030]  38.96 51.69 90 top
R1504  0  [R0201_H030]  38.96 52.22 90 top
R1505  0  [R0201_H030]  36.91 49.43 0 top
R1506  0  [R0201_H030]  37.44 49.43 0 top
R1507  0  [R0201_H030]  38.96 52.93 90 top
R1508  0  [R0201_H030]  38.96 53.44 90 top
R1509  0  [R0201_H030]  35.71 49.43 0 top
R1510  0  [R0201_H030]  36.22 49.43 0 top
R1522  1.4K_1%  [R0201_H030]  30.79 26.42 0 top
R1601  3.01K_1%  [R0201_H030]  29.41 26.42 0 top
R1602  6.04K_1%  [R0201_H030]  35.37 41.22 270 top
R2113  10K_1%  [R0201_H030]  34.1 24.5 180 bottom
R2114  10K_1%  [R0201_H030]  34.1 25.55 180 bottom
R2201  240_1%  [R0201_H030]  40.9 41.11 90 bottom
R2202  240_1%  [R0201_H030]  42.81 41.95 270 bottom
R2501  0  [R0201_H030]  6.62 25.08 0 bottom
R2502  0  [R0201_H030]  7.03 27.36 0 bottom
R2503  0  [R0201_H030]  6.83 24.3 90 bottom
R2504  0  [R0201_H030]  7.03 26.26 0 bottom
R2505  0  [R0201_H030]  16.38 24.66 270 bottom
R2506  0  [R0201_H030]  17.78 24.92 270 bottom
R2507  0  [R0201_H030]  16.59 22.91 90 bottom
R2508  0  [R0201_H030]  7.47 20.31 90 bottom
R2509  0  [R0201_H030]  10.59 20.07 180 bottom
R2511  0  [R0201_H030]  10.06 20.07 180 bottom
R2512  1M  [R0201_H030]  13.79 18.54 270 bottom
R2513  0  [R0201_H030]  13.49 19.91 180 bottom
R2514  0  [R0201_H030]  14.07 19.91 0 bottom
R2515  100K  [R0201_H030]  46.3 45.17 0 bottom
R2516  0  [R0201_H030]  6.52 26.58 0 bottom
R2605  1K  [R0201_H030]  14.76 52.58 180 bottom
R2606  1K  [R0201_H030]  15.7 52.8 180 bottom
R2607  0  [R0201_H030]  14.8 53.4 90 bottom
R2608  0  [R0201_H030]  13.99 52.84 90 bottom
R2609  1K  [R0201_H030]  30.52 62.74 90 bottom
R2610  1K  [R0201_H030]  29.68 61.75 180 bottom
R2611  0  [R0201_H030]  30.45 62 270 bottom
R2612  0  [R0201_H030]  31.32 62.25 180 bottom
R2613  2.2K  [R0201_H030]  14.34 6.83 180 top
R2614  2.2K  [R0201_H030]  16.01 6.81 180 top
R2615  0  [R0201_H030]  15.47 6.82 0 top
R2616  0  [R0201_H030]  14.86 6.83 0 top
R2617  0  [R0201_H030]  21.43 4.22 90 top
R2618  0  [R0201_H030]  21.4 3.61 90 top
R2619  0  [R0201_H030]  21.38 2.98 90 top
R2621  100K  [R0201_H030]  6.23 43.59 0 bottom
R2622  2.2K  [R0201_H030]  6.9 36.19 90 bottom
R2623  0  [R0201_H030]  17.58 22.48 270 bottom
R2624  0  [R0201_H030]  7.01 19.48 180 bottom
R2625  0  [R0201_H030]  7.8 19.51 180 bottom
R2626  0  [R0201_H030]  7.11 28.75 90 bottom
R2631  0  [R0201_H030]  25.83 14.63 0 bottom
R2632  0  [R0201_H030]  25.02 14.63 0 bottom
R2633  0  [R0201_H030]  21.68 14.02 0 bottom
R2634  0  [R0201_H030]  23.27 14.53 0 bottom
R2635  0  [R0201_H030]  22.73 14.53 0 bottom
R2636  0  [R0201_H030]  22.33 4.37 270 bottom
R2637  0  [R0201_H030]  21.27 4.37 90 bottom
R2638  0  [R0201_H030]  28.18 63.4 270 bottom
R2639  0  [R0201_H030]  28.18 62.89 270 bottom
R2640  0  [R0201_H030]  8.99 29.24 0 bottom
R2641  0  [R0201_H030]  8.46 29.24 0 bottom
R2642  2.2K  [R0201_H030]  45.47 47.22 180 bottom
R2643  2.2K  [R0201_H030]  45.47 46.15 0 bottom
R2644  0  [R0201_H030]  46.38 46.41 270 bottom
R2645  0  [R0201_H030]  46.38 46.96 270 bottom
R2646  0  [R0201_H030]  20.19 4.31 90 bottom
R2660  220K  [R0201_H030]  33.71 57.35 90 top
